# KiCad board coils_12_35_10_8_layer.kicad_pcb (continued)
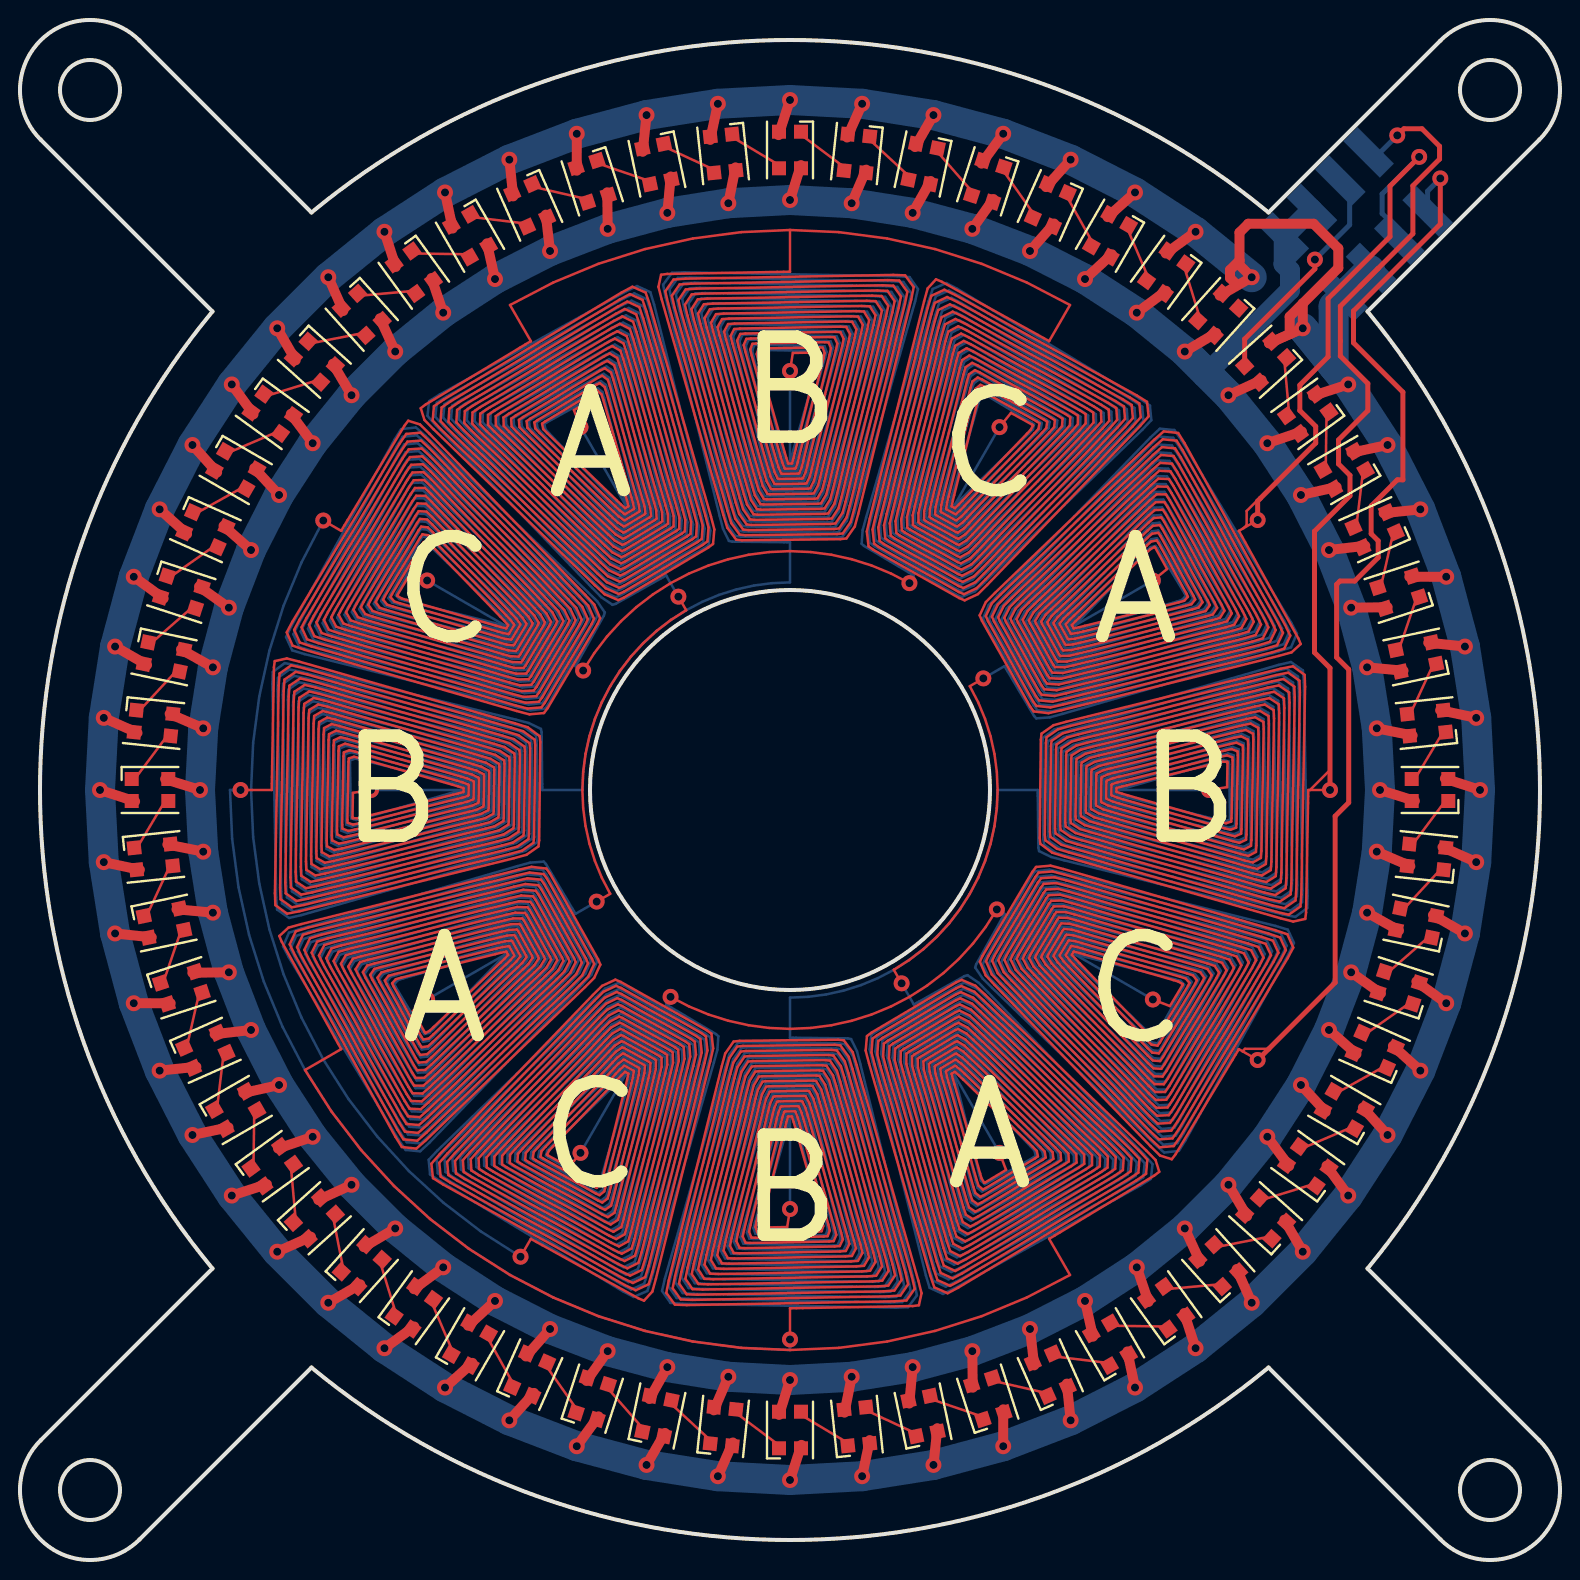
[diagram p0: board, top side]
## Routing (per net, layer and track width the routed paths; a pad name or vN(x,y) marks a point on that pad's centre or on a via; arc(x,y) is an arc through that point) (continued)
35.24,62.04 35.02,61.64 35.11,61.22 36.89,54.03 37,53.61 37.22,53.21 37.36,53.19 39.58,53.16 39.72,53.18 39.96,53.59 40.09,54.01 42.18,61.33 42.29,61.76 42.05,62.17 41.68,62.2 35.32,62.31 34.95,62.3 34.7,61.88 34.79,61.43 36.67,53.83 36.79,53.38 37.04,52.96 37.19,52.93 39.74,52.9 39.89,52.93 40.16,53.35 40.3,53.81 42.5,61.53 42.61,61.98 42.35,62.42 41.95,62.45 35.05,62.57 34.66,62.55 34.38,62.12 34.48,61.65 36.46,53.63 36.59,53.16 36.86,52.71 37.03,52.68 39.89,52.65 40.07,52.67 40.36,53.12 40.5,53.6 42.83,61.73 42.94,62.2 42.66,62.66 42.23,62.7 34.79,62.83 34.36,62.81 34.07,62.35 34.16,61.86 36.25,53.42 36.38,52.93 36.68,52.46 36.87,52.43 40.05,52.39 40.24,52.42 40.55,52.89 40.71,53.39 43.15,61.93 43.27,62.43 42.96,62.91 42.5,62.94 34.53,63.09 34.07,63.07 33.75,62.59 33.85,62.07 36.04,53.22 36.18,52.7 36.5,52.21 36.71,52.18 40.2,52.14 40.41,52.16 40.75,52.66 40.91,53.18 43.47,62.13 43.59,62.65 43.26,63.16 42.77,63.19 34.27,63.35 33.77,63.33 33.43,62.82 33.54,62.28 35.83,53.02 35.98,52.47 36.31,51.96 36.54,51.92 40.35,51.88 40.59,51.91 40.95,52.42 41.11,52.97 43.79,62.33 43.92,62.88 43.56,63.4 43.04,63.44 34,63.61 33.48,63.59 33.11,63.06 33.22,62.49 35.62,52.81 35.77,52.25 36.13,51.71 36.38,51.67 40.51,51.62 40.76,51.65 41.14,52.19 41.32,52.76 44.11,62.53 44.25,63.1 43.87,63.65 43.32,63.69 33.74,63.87 33.19,63.84 32.79,63.29 32.91,62.7 35.41,52.61 35.57,52.02 35.95,51.45 36.22,51.42 40.66,51.37 40.93,51.4 41.34,51.96 41.52,52.56 44.43,62.73 44.57,63.32 44.17,63.9 43.59,63.94 33.48,64.12 32.89,64.1 32.47,63.53 32.59,62.91 35.2,52.41 35.36,51.79 35.77,51.2 36.06,51.17 40.82,51.11 41.1,51.14 41.54,51.73 41.73,52.35 44.75,62.93 44.9,63.55 44.47,64.15 43.86,64.19 33.21,64.38 32.6,64.36 32.16,63.76 32.28,63.12 34.98,52.2 35.15,51.56 35.44,50.95 35.6,50.92 38.5,50.89 38.5,48.88 37.6,48.84 36.7,48.72 35.81,48.53 34.95,48.25 34.11,47.91 33.31,47.49 32.55,47 31.83,46.45 31.16,45.84 30.55,45.17 30,44.45 29.51,43.69 29.09,42.89 28.75,42.05 28.47,41.19 28.28,40.3 28.16,39.4 28.12,38.5 26.11,38.5 26.08,41.4 26.05,41.56 25.44,41.85 24.8,42.02 13.88,44.72 13.24,44.84 12.64,44.4 12.62,43.79 12.81,33.14 12.85,32.53 13.45,32.1 14.07,32.25 24.65,35.27 25.27,35.46 25.86,35.9 25.89,36.18 25.83,40.94 25.8,41.23 25.21,41.64 24.59,41.8 14.09,44.41 13.47,44.53 12.9,44.11 12.88,43.52 13.06,33.41 13.1,32.83 13.68,32.43 14.27,32.57 24.44,35.48 25.04,35.66 25.6,36.07 25.63,36.34 25.58,40.78 25.55,41.05 24.98,41.43 24.39,41.59 14.3,44.09 13.71,44.21 13.16,43.81 13.13,43.26 13.31,33.68 13.35,33.13 13.9,32.75 14.47,32.89 24.24,35.68 24.81,35.86 25.35,36.24 25.38,36.49 25.33,40.62 25.29,40.87 24.75,41.23 24.19,41.38 14.51,43.78 13.94,43.89 13.41,43.52 13.39,43 13.56,33.96 13.6,33.44 14.12,33.08 14.67,33.21 24.03,35.89 24.58,36.05 25.09,36.41 25.12,36.65 25.08,40.46 25.04,40.69 24.53,41.02 23.98,41.17 14.72,43.46 14.18,43.57 13.67,43.23 13.65,42.73 13.81,34.23 13.84,33.74 14.35,33.41 14.87,33.53 23.82,36.09 24.34,36.25 24.84,36.59 24.86,36.8 24.82,40.29 24.79,40.5 24.3,40.82 23.78,40.96 14.93,43.15 14.41,43.25 13.93,42.93 13.91,42.47 14.06,34.5 14.09,34.04 14.57,33.73 15.07,33.85 23.61,36.29 24.11,36.45 24.58,36.76 24.61,36.95 24.57,40.13 24.54,40.32 24.07,40.62 23.58,40.75 15.14,42.84 14.65,42.93 14.19,42.64 14.17,42.21 14.3,34.77 14.34,34.34 14.8,34.06 15.27,34.17 23.4,36.5 23.88,36.64 24.33,36.93 24.35,37.11 24.32,39.97 24.29,40.14 23.84,40.41 23.37,40.54 15.35,42.52 14.88,42.62 14.45,42.34 14.43,41.95 14.55,35.05 14.58,34.65 15.02,34.39 15.47,34.5 23.19,36.7 23.65,36.84 24.07,37.11 24.1,37.26 24.07,39.81 24.04,39.96 23.62,40.21 23.17,40.33 15.57,42.21 15.12,42.3 14.7,42.05 14.69,41.68 14.8,35.32 14.83,34.95 15.24,34.71 15.67,34.82 22.99,36.91 23.41,37.04 23.82,37.28 23.84,37.42 23.81,39.64 23.79,39.78 23.39,40 22.97,40.11 15.78,41.89 15.36,41.98 14.96,41.76 14.95,41.42 15.05,35.59 15.08,35.25 15.47,35.04 15.87,35.14 22.78,37.11 23.18,37.23 23.56,37.45 23.58,37.57 23.56,39.48 23.54,39.6 23.16,39.8 22.77,39.9 15.99,41.58 15.59,41.66 15.22,41.46 15.2,41.16 15.3,35.86 15.33,35.56 15.69,35.37 16.07,35.46 22.57,37.32 22.95,37.43 23.31,37.62 23.33,37.72 23.31,39.32 23.29,39.42 22.94,39.59 22.56,39.69 16.2,41.27 15.83,41.34 15.48,41.17 15.46,40.89 15.55,36.14 15.57,35.86 15.92,35.69 16.27,35.78 22.36,37.52 22.72,37.63 23.06,37.8 23.07,37.88 23.06,39.16 23.04,39.24 22.71,39.39 22.36,39.48 16.41,40.95 16.06,41.03 15.74,40.87 15.72,40.63 15.8,36.41 15.82,36.16 16.14,36.02 16.47,36.1 22.15,37.73 22.49,37.83 22.8,37.97 22.82,38.03 22.81,38.99 22.79,39.06 22.48,39.19 22.16,39.27 16.62,40.64 16.3,40.71 15.99,40.58 15.98,40.37 16.05,36.68 16.07,36.47 16.36,36.35 16.67,36.42 21.94,37.93 22.25,38.02 22.55,38.14 22.56,38.18 22.55,38.83 22.54,38.87 22.25,38.98 21.95,39.06 16.83,40.32 16.53,40.39 16.25,40.28 16.24,40.1 16.3,36.95 16.32,36.77 16.59,36.67 16.87,36.75 21.74,38.14 22.02,38.22 22.29,38.31 22.31,38.34 22.3,38.67 22.29,38.69 22.03,38.78 21.75,38.85 17.04,40.01 16.77,40.07 16.51,39.99 16.5,39.84 16.55,37.22 16.56,37.07 16.81,37 17.07,37.07 21.53,38.34 21.79,38.42 22.04,38.49 22.05,38.49 22.05,38.5 v1(17.55,38.5) ; v1(48.98,20.36) 46.72,24.25 46.72,24.25 46.72,24.24 46.78,23.99 46.85,23.72 47.97,19.23 48.04,18.97 48.23,18.79 48.37,18.85 50.66,20.12 50.79,20.2 50.73,20.47 50.54,20.67 47.17,24.17 46.98,24.37 46.77,24.56 46.75,24.56 46.46,24.39 46.44,24.37 46.5,24.09 46.57,23.8 47.79,18.89 47.87,18.61 48.1,18.42 48.26,18.5 51.02,20.02 51.17,20.12 51.12,20.42 50.91,20.65 47.26,24.45 47.04,24.67 46.81,24.86 46.76,24.86 46.2,24.54 46.17,24.5 46.21,24.19 46.29,23.88 47.62,18.56 47.7,18.25 47.96,18.06 48.15,18.15 51.38,19.93 51.55,20.05 51.51,20.38 51.29,20.62 47.34,24.73 47.1,24.97 46.84,25.17 46.78,25.16 45.93,24.68 45.89,24.64 45.92,24.29 46,23.96 47.44,18.23 47.53,17.9 47.82,17.69 48.04,17.79 51.73,19.84 51.94,19.97 51.91,20.33 51.67,20.6 47.42,25.01 47.17,25.27 46.87,25.48 46.79,25.46 45.67,24.83 45.61,24.77 45.64,24.4 45.72,24.03 47.26,17.89 47.36,17.54 47.68,17.33 47.93,17.44 52.09,19.75 52.32,19.9 52.3,20.29 52.05,20.57 47.5,25.29 47.23,25.57 46.9,25.79 46.8,25.76 45.41,24.97 45.34,24.91 45.35,24.5 45.44,24.11 47.08,17.56 47.19,17.18 47.54,16.96 47.82,17.09 52.45,19.65 52.7,19.82 52.69,20.24 52.42,20.54 47.58,25.57 47.29,25.87 46.93,26.09 46.82,26.05 45.15,25.12 45.06,25.04 45.06,24.6 45.16,24.19 46.9,17.22 47.02,16.82 47.4,16.59 47.7,16.74 52.8,19.56 53.09,19.74 53.09,20.2 52.8,20.52 47.66,25.86 47.36,26.17 46.96,26.4 46.83,26.35 44.89,25.26 44.78,25.18 44.78,24.7 44.88,24.27 46.72,16.89 46.85,16.47 47.26,16.23 47.59,16.39 53.16,19.47 53.47,19.67 53.48,20.15 53.18,20.49 47.75,26.14 47.42,26.46 46.99,26.71 46.85,26.65 44.63,25.41 44.51,25.31 44.49,24.81 44.6,24.35 46.55,16.56 46.68,16.11 47.12,15.86 47.48,16.03 53.52,19.38 53.86,19.59 53.87,20.11 53.56,20.47 47.83,26.42 47.48,26.76 47.03,27.02 46.86,26.95 44.37,25.55 44.23,25.44 44.2,24.91 44.32,24.42 46.37,16.22 46.51,15.75 46.98,15.5 47.37,15.68 53.88,19.28 54.24,19.51 54.27,20.06 53.93,20.44 47.91,26.7 47.55,27.06 47.06,27.32 46.88,27.25 44.11,25.7 43.95,25.58 43.92,25.01 44.03,24.5 46.19,15.89 46.34,15.4 46.84,15.13 47.26,15.33 54.23,19.19 54.62,19.44 54.66,20.02 54.31,20.41 47.99,26.98 47.61,27.36 47.09,27.63 46.89,27.55 43.85,25.84 43.67,25.71 43.63,25.12 43.75,24.58 46.01,15.56 46.17,15.04 46.7,14.77 47.15,14.98 54.59,19.1 55.01,19.36 55.05,19.97 54.69,20.39 48.07,27.26 47.67,27.66 47.12,27.94 46.91,27.85 43.58,25.99 43.4,25.85 43.34,25.22 43.47,24.66 45.83,15.22 45.99,14.68 46.57,14.4 47.04,14.63 54.95,19.01 55.39,19.28 55.45,19.93 55.07,20.36 48.15,27.55 47.74,27.96 47.15,28.25 46.92,28.15 43.32,26.13 43.12,25.98 43.06,25.32 43.19,24.74 45.65,14.89 45.82,14.32 46.43,14.03 46.93,14.28 55.31,18.91 55.78,19.21 55.84,19.88 55.44,20.34 48.23,27.83 47.8,28.26 47.18,28.55 46.93,28.45 43.06,26.27 42.84,26.12 42.77,25.42 42.91,24.82 45.48,14.55 45.65,13.97 46.29,13.67 46.81,13.92 55.66,18.82 56.16,19.13 56.23,19.84 55.82,20.31 48.32,28.11 47.86,28.56 47.22,28.86 46.95,28.75 42.8,26.42 42.57,26.25 42.48,25.53 42.63,24.89 45.3,14.22 45.48,13.61 46.15,13.3 46.7,13.57 56.02,18.73 56.54,19.06 56.63,19.79 56.2,20.28 48.4,28.39 47.93,28.86 47.37,29.24 47.22,29.19 44.69,27.77 v1(44.08,28.83) ; v1(59.45,38.5) 54.95,38.5 54.95,38.51 54.96,38.51 55.21,38.58 55.47,38.66 59.93,39.93 60.19,40 60.44,39.93 60.45,39.78 60.5,37.16 60.49,37.01 60.23,36.93 59.96,36.99 55.25,38.15 54.97,38.22 54.71,38.31 54.7,38.33 54.69,38.66 54.71,38.69 54.98,38.78 55.26,38.86 60.13,40.25 60.41,40.33 60.68,40.23 60.7,40.05 60.76,36.9 60.75,36.72 60.47,36.61 60.17,36.68 55.05,37.94 54.75,38.02 54.46,38.13 54.45,38.17 54.44,38.82 54.45,38.86 54.75,38.98 55.06,39.07 60.33,40.58 60.64,40.65 60.93,40.53 60.95,40.32 61.02,36.63 61.01,36.42 60.7,36.29 60.38,36.36 54.84,37.73 54.52,37.81 54.21,37.94 54.19,38.01 54.18,38.97 54.2,39.03 54.51,39.17 54.85,39.27 60.53,40.9 60.86,40.98 61.18,40.84 61.2,40.59 61.28,36.37 61.26,36.13 60.94,35.97 60.59,36.05 54.64,37.52 54.29,37.61 53.96,37.76 53.94,37.84 53.93,39.12 53.94,39.2 54.28,39.37 54.64,39.48 60.73,41.22 61.08,41.31 61.43,41.14 61.45,40.86 61.54,36.11 61.52,35.83 61.17,35.66 60.8,35.73 54.44,37.31 54.06,37.41 53.71,37.58 53.69,37.68 53.67,39.28 53.69,39.38 54.05,39.57 54.43,39.68 60.93,41.54 61.31,41.63 61.67,41.44 61.7,41.14 61.8,35.84 61.78,35.54 61.41,35.34 61.01,35.42 54.23,37.1 53.84,37.2 53.46,37.4 53.44,37.52 53.42,39.43 53.44,39.55 53.82,39.77 54.22,39.89 61.13,41.86 61.53,41.96 61.92,41.75 61.95,41.41 62.05,35.58 62.04,35.24 61.64,35.02 61.22,35.11 54.03,36.89 53.61,37 53.21,37.22 53.19,37.36 53.16,39.58 53.18,39.72 53.59,39.96 54.01,40.09 61.33,42.18 61.76,42.29 62.17,42.05 62.2,41.68 62.31,35.32 62.3,34.95 61.88,34.7 61.43,34.79 53.83,36.67 53.38,36.79 52.96,37.04 52.93,37.19 52.9,39.74 52.93,39.89 53.35,40.16 53.81,40.3 61.53,42.5 61.98,42.61 62.42,42.35 62.45,41.95 62.57,35.05 62.55,34.66 62.12,34.38 61.65,34.48 53.63,36.46 53.16,36.59 52.71,36.86 52.68,37.03 52.65,39.89 52.67,40.07 53.12,40.36 53.6,40.5 61.73,42.83 62.2,42.94 62.66,42.66 62.7,42.23 62.83,34.79 62.81,34.36 62.35,34.07 61.86,34.16 53.42,36.25 52.93,36.38 52.46,36.68 52.43,36.87 52.39,40.05 52.42,40.24 52.89,40.55 53.39,40.71 61.93,43.15 62.43,43.27 62.91,42.96 62.94,42.5 63.09,34.53 63.07,34.07 62.59,33.75 62.07,33.85 53.22,36.04 52.7,36.18 52.21,36.5 52.18,36.71 52.14,40.2 52.16,40.41 52.66,40.75 53.18,40.91 62.13,43.47 62.65,43.59 63.16,43.26 63.19,42.77 63.35,34.27 63.33,33.77 62.82,33.43 62.28,33.54 53.02,35.83 52.47,35.98 51.96,36.31 51.92,36.54 51.88,40.35 51.91,40.59 52.42,40.95 52.97,41.11 62.33,43.79 62.88,43.92 63.4,43.56 63.44,43.04 63.61,34 63.59,33.48 63.06,33.11 62.49,33.22 52.81,35.62 52.25,35.77 51.71,36.13 51.67,36.38 51.62,40.51 51.65,40.76 52.19,41.14 52.76,41.32 62.53,44.11 63.1,44.25 63.65,43.87 63.69,43.32 63.87,33.74 63.84,33.19 63.29,32.79 62.7,32.91 52.61,35.41 52.02,35.57 51.45,35.95 51.42,36.22 51.37,40.66 51.4,40.93 51.96,41.34 52.56,41.52 62.73,44.43 63.32,44.57 63.9,44.17 63.94,43.59 64.12,33.48 64.1,32.89 63.53,32.47 62.91,32.59 52.41,35.2 51.79,35.36 51.2,35.77 51.17,36.06 51.11,40.82 51.14,41.1 51.73,41.54 52.35,41.73 62.93,44.75 63.55,44.9 64.15,44.47 64.19,43.86 64.38,33.21 64.36,32.6 63.76,32.16 63.12,32.28 52.2,34.98 51.56,35.15 50.95,35.44 50.92,35.6 50.89,38.5 48.88,38.5 48.84,37.6 48.72,36.7 48.53,35.81 48.25,34.95 47.91,34.11 47.49,33.31 47,32.55 46.45,31.83 45.84,31.16 45.17,30.55 44.45,30 43.69,29.51 42.89,29.09 42.05,28.75 41.19,28.47 40.3,28.28 39.4,28.16 38.5,28.12 38.5,26.11 41.4,26.08 41.56,26.05 41.85,25.44 42.02,24.8 44.72,13.88 44.84,13.24 44.4,12.64 43.79,12.62 33.14,12.81 32.53,12.85 32.1,13.45 32.25,14.07 35.27,24.65 35.46,25.27 35.9,25.86 36.18,25.89 40.94,25.83 41.23,25.8 41.64,25.21 41.8,24.59 44.41,14.09 44.53,13.47 44.11,12.9 43.52,12.88 33.41,13.06 32.83,13.1 32.43,13.68 32.57,14.27 35.48,24.44 35.66,25.04 36.07,25.6 36.34,25.63 40.78,25.58 41.05,25.55 41.43,24.98 41.59,24.39 44.09,14.3 44.21,13.71 43.81,13.16 43.26,13.13 33.68,13.31 33.13,13.35 32.75,13.9 32.89,14.47 35.68,24.24 35.86,24.81 36.24,25.35 36.49,25.38 40.62,25.33 40.87,25.29 41.23,24.75 41.38,24.19 43.78,14.51 43.89,13.94 43.52,13.41 43,13.39 33.96,13.56 33.44,13.6 33.08,14.12 33.21,14.67 35.89,24.03 36.05,24.58 36.41,25.09 36.65,25.12 40.46,25.08 40.69,25.04 41.02,24.53 41.17,23.98 43.46,14.72 43.57,14.18 43.23,13.67 42.73,13.65 34.23,13.81 33.74,13.84 33.41,14.35 33.53,14.87 36.09,23.82 36.25,24.34 36.59,24.84 36.8,24.86 40.29,24.82 40.5,24.79 40.82,24.3 40.96,23.78 43.15,14.93 43.25,14.41 42.93,13.93 42.47,13.91 34.5,14.06 34.04,14.09 33.73,14.57 33.85,15.07 36.29,23.61 36.45,24.11 36.76,24.58 36.95,24.61 40.13,24.57 40.32,24.54 40.62,24.07 40.75,23.58 42.84,15.14 42.93,14.65 42.64,14.19 42.21,14.17 34.77,14.3 34.34,14.34 34.06,14.8 34.17,15.27 36.5,23.4 36.64,23.88 36.93,24.33 37.11,24.35 39.97,24.32 40.14,24.29 40.41,23.84 40.54,23.37 42.52,15.35 42.62,14.88 42.34,14.45 41.95,14.43 35.05,14.55 34.65,14.58 34.39,15.02 34.5,15.47 36.7,23.19 36.84,23.65 37.11,24.07 37.26,24.1 39.81,24.07 39.96,24.04 40.21,23.62 40.33,23.17 42.21,15.57 42.3,15.12 42.05,14.7 41.68,14.69 35.32,14.8 34.95,14.83 34.71,15.24 34.82,15.67 36.91,22.99 37.04,23.41 37.28,23.82 37.42,23.84 39.64,23.81 39.78,23.79 40,23.39 40.11,22.97 41.89,15.78 41.98,15.36 41.76,14.96 41.42,14.95 35.59,15.05 35.25,15.08 35.04,15.47 35.14,15.87 37.11,22.78 37.23,23.18 37.45,23.56 37.57,23.58 39.48,23.56 39.6,23.54 39.8,23.16 39.9,22.77 41.58,15.99 41.66,15.59 41.46,15.22 41.16,15.2 35.86,15.3 35.56,15.33 35.37,15.69 35.46,16.07 37.32,22.57 37.43,22.95 37.62,23.31 37.72,23.33 39.32,23.31 39.42,23.29 39.59,22.94 39.69,22.56 41.27,16.2 41.34,15.83 41.17,15.48 40.89,15.46 36.14,15.55 35.86,15.57 35.69,15.92 35.78,16.27 37.52,22.36 37.63,22.72 37.8,23.06 37.88,23.07 39.16,23.06 39.24,23.04 39.39,22.71 39.48,22.36 40.95,16.41 41.03,16.06 40.87,15.74 40.63,15.72 36.41,15.8 36.16,15.82 36.02,16.14 36.1,16.47 37.73,22.15 37.83,22.49 37.97,22.8 38.03,22.82 38.99,22.81 39.06,22.79 39.19,22.48 39.27,22.16 40.64,16.62 40.71,16.3 40.58,15.99 40.37,15.98 36.68,16.05 36.47,16.07 36.35,16.36 36.42,16.67 37.93,21.94 38.02,22.25 38.14,22.55 38.18,22.56 38.83,22.55 38.87,22.54 38.98,22.25 39.06,21.95 40.32,16.83 40.39,16.53 40.28,16.25 40.1,16.24 36.95,16.3 36.77,16.32 36.67,16.59 36.75,16.87 38.14,21.74 38.22,22.02 38.31,22.29 38.34,22.31 38.67,22.3 38.69,22.29 38.78,22.03 38.85,21.75 40.01,17.04 40.07,16.77 39.99,16.51 39.84,16.5 37.22,16.55 37.07,16.56 37,16.81 37.07,17.07 38.34,21.53 38.42,21.79 38.49,22.04 38.49,22.05 38.5,22.05 v1(38.5,17.55) ; v1(15.16,51.97) 14.08,49.89 13.18,47.72 12.47,45.47 11.96,43.18 11.66,40.85 11.55,38.5 11.66,36.15 11.96,33.82 12.47,31.53 13.18,29.28 14.08,27.11 15.16,25.03 16.43,23.04 17.86,21.18 19.45,19.45 21.18,17.86 23.04,16.43 v1(25.03,15.16) ; v1(20.36,28.03) 24.25,30.27 24.26,30.27 24.25,30.26 24.07,30.07 23.88,29.88 20.66,26.55 20.47,26.36 20.21,26.3 20.13,26.42 18.78,28.66 18.71,28.8 18.9,28.99 19.16,29.08 23.82,30.42 24.09,30.5 24.36,30.56 24.39,30.55 24.56,30.26 24.56,30.23 24.37,30.02 24.16,29.8 20.65,26.17 20.44,25.96 20.15,25.91 20.05,26.06 18.42,28.76 18.34,28.92 18.53,29.15 18.82,29.25 23.89,30.71 24.19,30.79 24.49,30.84 24.52,30.82 24.85,30.26 24.86,30.21 24.67,29.96 24.45,29.73 20.64,25.79 20.41,25.57 20.09,25.52 19.97,25.7 18.06,28.86 17.97,29.05 18.17,29.31 18.48,29.41 23.96,30.99 24.28,31.08 24.62,31.13 24.66,31.08 25.15,30.25 25.17,30.19 24.97,29.91 24.73,29.66 20.62,25.41 20.38,25.17 20.03,25.14 19.89,25.34 17.71,28.96 17.6,29.17 17.81,29.47 18.14,29.58 24.03,31.28 24.38,31.37 24.74,31.41 24.8,31.35 25.45,30.25 25.48,30.17 25.27,29.85 25.01,29.58 20.61,25.03 20.35,24.78 19.96,24.75 19.81,24.98 17.35,29.05 17.23,29.3 17.44,29.63 17.8,29.75 24.1,31.56 24.47,31.67 24.87,31.69 24.94,31.61 25.75,30.24 25.78,30.15 25.57,29.8 25.29,29.51 20.6,24.65 20.31,24.38 19.9,24.37 19.73,24.62 17,29.15 16.86,29.42 17.08,29.78 17.46,29.91 24.17,31.85 24.57,31.96 25,31.97 25.07,31.88 26.05,30.24 26.09,30.12 25.87,29.75 25.58,29.44 20.59,24.28 20.28,23.99 19.84,23.98 19.65,24.26 16.64,29.25 16.49,29.55 16.72,29.94 17.12,30.08 24.24,32.13 24.66,32.25 25.12,32.25 25.21,32.15 26.35,30.23 26.4,30.1 26.17,29.69 25.86,29.36 20.57,23.9 20.25,23.59 19.78,23.59 19.57,23.9 16.29,29.35 16.12,29.68 16.35,30.1 16.78,30.24 24.31,32.42 24.76,32.54 25.25,32.54 25.35,32.41 26.65,30.23 26.7,30.08 26.47,29.64 26.14,29.29 20.56,23.52 20.22,23.2 19.71,23.21 19.49,23.54 15.93,29.45 15.75,29.8 15.99,30.26 16.44,30.41 24.38,32.7 24.85,32.83 25.37,32.82 25.48,32.68 26.94,30.22 27.01,30.06 26.77,29.58 26.43,29.22 20.55,23.14 20.19,22.8 19.65,22.82 19.41,23.18 15.58,29.55 15.38,29.93 15.63,30.42 16.1,30.58 24.45,32.99 24.95,33.12 25.5,33.1 25.62,32.95 27.24,30.21 27.32,30.03 27.07,29.53 26.71,29.15 20.54,22.76 20.16,22.41 19.59,22.43 19.33,22.82 15.22,29.64 15.01,30.05 15.26,30.57 15.76,30.74 24.52,33.27 25.04,33.41 25.63,33.38 25.76,33.21 27.54,30.21 27.63,30.01 27.36,29.47 26.99,29.07 20.52,22.38 20.13,22.01 19.53,22.05 19.25,22.45 14.86,29.74 14.63,30.18 14.9,30.73 15.42,30.91 24.59,33.55 25.14,33.7 25.75,33.66 25.9,33.48 27.84,30.2 27.93,29.99 27.66,29.42 27.27,29 20.51,22.01 20.1,21.62 19.47,21.66 19.17,22.09 14.51,29.84 14.26,30.3 14.54,30.89 15.08,31.07 24.66,33.84 25.23,33.99 25.88,33.95 26.03,33.75 28.14,30.2 28.24,29.97 27.96,29.37 27.56,28.93 20.5,21.63 20.07,21.22 19.4,21.28 19.09,21.73 14.15,29.94 13.89,30.43 14.17,31.05 14.74,31.24 24.73,34.12 25.33,34.28 26.01,34.23 26.17,34.01 28.44,30.19 28.55,29.95 28.26,29.31 27.84,28.85 20.49,21.25 20.04,20.83 19.34,20.89 19.01,21.37 13.8,30.04 13.52,30.56 13.81,31.2 14.4,31.41 24.8,34.41 25.42,34.57 26.13,34.51 26.31,34.28 28.73,30.19 28.85,29.92 28.56,29.26 28.12,28.78 20.47,20.87 20.01,20.44 19.28,20.5 18.93,21.01 13.44,30.14 13.15,30.68 13.45,31.36 14.06,31.57 24.87,34.69 25.51,34.87 26.19,34.92 26.3,34.8 27.77,32.31 v1(28.83,32.92)